# Altium PCB PCB_V1.PcbDoc (part 2 of 2)
Units mil, origin at the board's own origin, x right, y up, seen from the top; angles counter-clockwise.
Board outline 3937.01 x 3937.01 mil, 2 copper layers (Top Layer, Bottom Layer); 119 components, 91 nets, 341 pads, 89 vias.
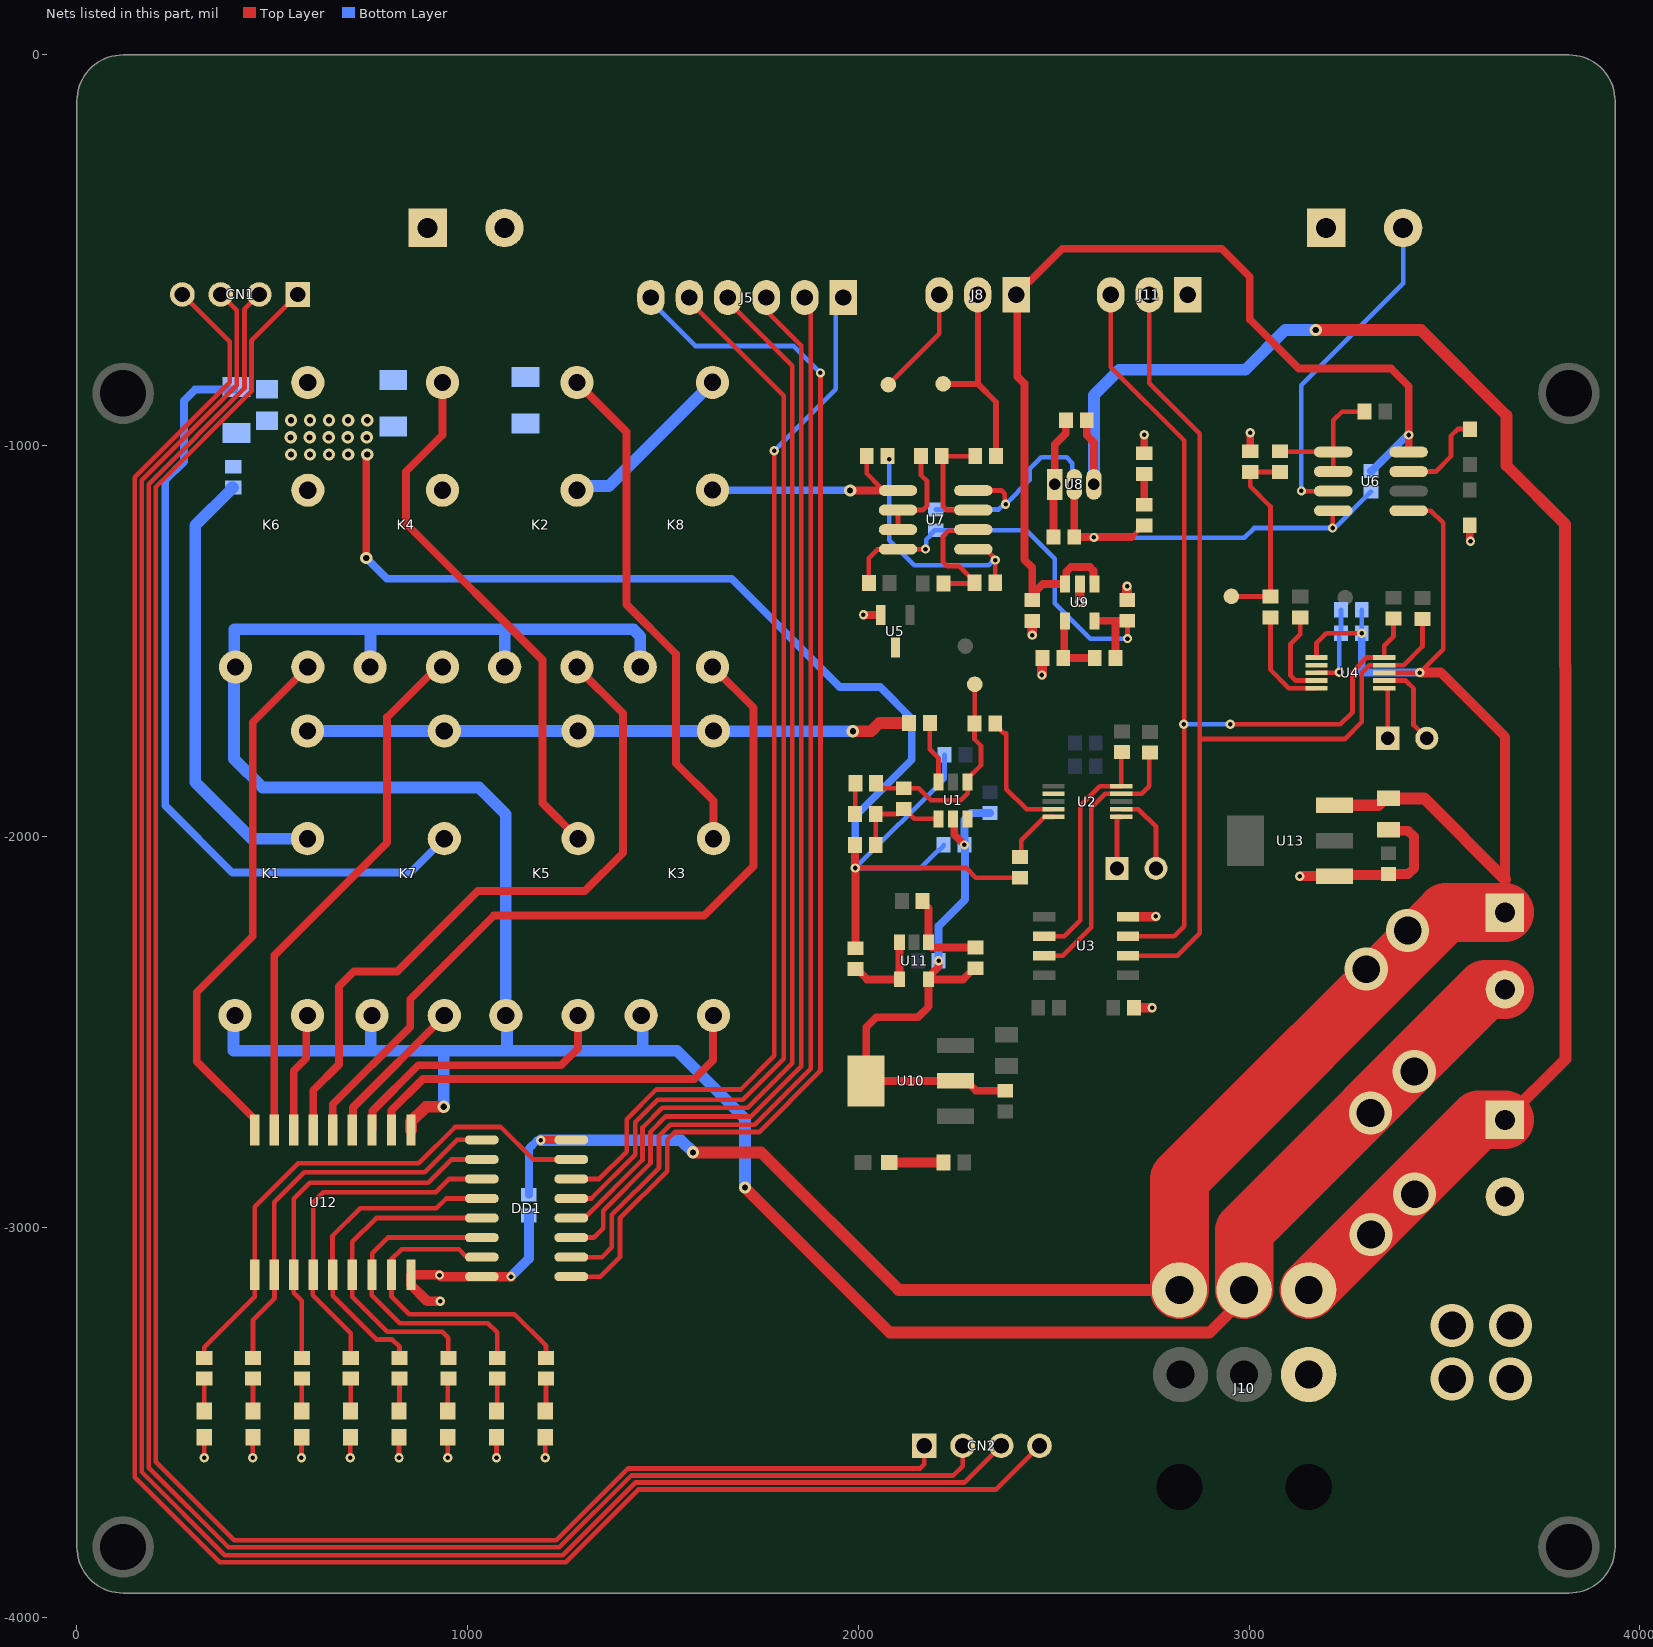
[diagram p2: the nets of this part, all layers, seen from the top]

## Via types
v1: diameter 23.62, hole 11.81, Top Layer to Bottom Layer, 53 vias
v2: diameter 31.5, hole 15.75, Top Layer to Bottom Layer, 26 vias
v3: diameter 110.24, hole 70.87, Top Layer to Bottom Layer, 10 vias

## Nets (pads, with @x,y where several pads share a name; then routed paths per layer and width w, separated by ;. In a path a pad name is that pad's centre, name@x,y a point inside that pad or via, vN(x,y) a via of type N, cw(c..) or ccw(c..) an arc to the next point about the centre after c; other vN are vias at no path point) (continued)
+5V: C9.1 C10.1 C19.2 C22.2 DD1.16 J7.2 J10.6 U4.1 U4.8 U6.5 U13.3 | length 5777.9
  Top Layer w12: U4.1@3183,-1542.15 3182.91,-1542.25 U4.1@3172.95,-1542.25 3172.95,-1505.05 3198,-1480 v1(3288.57,-1480) ; U4.8@3346.18,-1581.62 3346.27,-1581.52 3436.48,-1581.52 v1(3437,-1581) 3497,-1521 3497,-1198 3465.47,-1166.47 U6.5@3408.57,-1166.47 U6.5@3409,-1166.89
  Top Layer w20: v1(1187,-2778) 1187.5,-2777.5 1264.99,-2777.5 DD1.16@1265.49,-2777
  Top Layer w25: v1(3437,-1581) 3491,-1581 3655,-1745 3655,-2110 J7.2@3655,-2195.15
  Top Layer w30: v2(1577,-2809) 1751,-2809 2103.06,-3161.06 J10.6@2822,-3161.06 ; U13.3@3219.17,-1920.76 3330.24,-1920.76 3348,-1903 C22.2@3357,-1903 3448,-1903 3655,-2110
  Top Layer w150: J10.6@2822,-3161.06 2822,-2877 3503.85,-2195.15 J7.2@3655,-2195.15
  Bottom Layer w12: v1(3288.57,-1480) C9.1@3288.57,-1420
  Bottom Layer w20: C19.2@1157,-2917.43 1157,-2799 1178,-2778 v1(1187,-2778) ; v1(3288.57,-1480) 3288.57,-1581 v1(3437,-1581)
  Bottom Layer w30: v1(1187,-2778) 1546,-2778 v2(1577,-2809)
  other v3: 3300,-2340 3406,-2241
+6.5V: C11.2 C15.2 R18.2 R30.2 U7.8 U9.5 | length 1175.7
  Top Layer w12: R18.2@2027,-1352 2027,-1288 2049,-1266 2100.54,-1266 U7.8@2101.54,-1265 v1(2172,-1265) ; C15.2@2688,-1448.42 2689,-1449.42 v1(2689,-1494)
  Top Layer w20: U9.5@2604.4,-1448.4 2658.47,-1448.41 ; R30.2@2658.15,-1543.37 2658.15,-1448.73 2658.47,-1448.41 ; C15.2@2688,-1448.42 2658.47,-1448.41
  Bottom Layer w12: v1(2172,-1265) 2174.22,-1262.78 2174.22,-1240.35 2184.31,-1230.26 2184.31,-1228.29 2196.03,-1216.57 C11.2@2198,-1216.57 2429.57,-1216.57 2503,-1290 2503,-1403 2594,-1494 v1(2689,-1494)
+12: J7.1 J10.5 K1.4 K2.4 K3.4 K4.4 K5.4 K6.4 K7.4 K8.4 U12.10 | length 7674.9
  Top Layer w30: U12.10@855,-2751.96 855,-2730.78 893.78,-2692 v2(939,-2692) ; v2(1710,-2899) 2081,-3270 2899,-3270 2987.35,-3181.65 J10.5@2987.35,-3161.06
  Top Layer w150: J10.5@2987.35,-3161.06 2987.35,-3009.65 3605,-2392 J7.1@3655,-2392
  Bottom Layer w30: K1.4@404.93,-2458.81 401,-2462.74 401,-2549 752,-2549 ; K4.4@750.46,-1566.97 751.62,-1565.81 751.62,-1470.14 ; K7.4@755.32,-2458.81 752,-2462.13 752,-2549 ; v2(939,-2692) 939,-2549 ; K2.4@1094.95,-1566.97 1094.95,-1470.14 ; K8.4@1441.96,-1566.35 1441.96,-1487.72 1424.39,-1470.14 1094.95,-1470.14 ; K3.4@1444.3,-2458.81 1448,-2462.51 1448,-2549 ; v2(1710,-2899) 1710,-2723 1536,-2549 1448,-2549 ; 751.62,-1470.14 1094.95,-1470.14 ; 751.62,-1470.14 402.62,-1470.14 402.62,-1563.61 K6.4@405.97,-1566.97 402,-1570.94 402,-1802 475,-1875 1029,-1875 1097.84,-1943.84 K5.4@1097.84,-2458.81 1101,-2461.97 1101,-2549 ; 752,-2549 939,-2549 ; 939,-2549 1101,-2549 ; 1101,-2549 1448,-2549
  other v3: 3311,-2708 3423,-2602
+24V: C12.2 C17.2 J8.1 U6.8 U9.1 U9.3 | length 2600.5
  Top Layer w12: U9.1@2604.4,-1353.91 U9.1@2605,-1354.51
  Top Layer w20: J8.1@2403.85,-614 2403.85,-604 2428.85,-579 2438.85,-579 2521.85,-496 2930,-496 3002,-568 3002,-677 3128,-803 3364,-803 3409,-848 v1(3409,-973) 3409,-1016.04 U6.8@3408.57,-1016.47 ; J8.1@2404.43,-627 2407,-629.57 2407,-823 2425,-841 2425,-1292 2445,-1312 C17.2@2445,-1381.57 ; C17.2@2445,-1395.43 C17.2@2445,-1381.57 ; U9.1@2604.4,-1353.91 2601.61,-1351.12 2601.61,-1319.92 2592.69,-1311 2544.11,-1311 2532.39,-1322.72 2532.39,-1351.12 U9.3@2529.6,-1353.91 2472.66,-1353.91 C17.2@2445,-1381.57
  Bottom Layer w20: C12.2@3312.12,-1064.89 3314.08,-1064.89 3405.28,-973.69 3408.31,-973.69 v1(3409,-973)
-1.2V: C11.1 C12.1 C14.2 R27.1 U6.4 U7.4 U8.2 | length 1727.3
  Top Layer w12: U7.4@2294.46,-1115 2367.16,-1115 2375.19,-1123.03 2375.19,-1148.19 v1(2377,-1150) ; C14.2@2552.57,-1234 C14.2@2552.79,-1233.79 ; U8.2@2552.79,-1099.53 U8.2@2553,-1099.31 ; 2699.62,-1234 2729.05,-1204.57 R27.1@2732,-1204.57 ; v1(3214,-1211) 3214,-1168.12 U6.4@3215.66,-1166.47
  Top Layer w20: C14.2@2552.57,-1234 2699.62,-1234 ; C14.2@2552.79,-1233.79 U8.2@2552.79,-1099.53
  Bottom Layer w12: C11.1@2198,-1163.43 2359.57,-1163.43 2373,-1150 v1(2377,-1150) 2439,-1088 2439,-1059 2468,-1030 2532.97,-1030 2547.76,-1044.79 2547.76,-1094.08 U8.2@2553,-1099.31 ; v1(2603,-1235) 2603,-1236 2988,-1236 3013,-1211 v1(3214,-1211) 3219.16,-1211 C12.1@3312.12,-1118.04
-5V: C13.2 J4.2 J10.4 U8.3 | length 4228.1
  Top Layer w20: C13.2@2584.57,-935 2584.57,-973.57 2603,-992 U8.3@2603,-1099.31
  Top Layer w30: v2(3171,-704) 3440,-704 3659,-923 3659,-1051 3809,-1201 3809,-1564 3810,-1565 3810,-2570.57 J4.2@3655,-2725.57
  Top Layer w150: J10.4@3152.71,-3161.06 3588.2,-2725.57 J4.2@3655,-2725.57
  Bottom Layer w30: U8.3@2603,-1099.31 2603,-871 2668,-806 2991,-806 3093,-704 v2(3171,-704)
  other v3: 3312,-3019 3424,-2916
A: K2.3 K3.2 R13.2 | length 1312.1
  Top Layer w20: K2.3@1279.99,-838.62 1406.5,-965.14 1406.5,-1406.5 1533,-1533 1533,-1813 1629.34,-1909.34 K3.2@1629.34,-2006.06
A_Select: K2.1 U12.15 | length 1787.9
  Top Layer w20: U12.15@605,-2751.96 605,-2650 671,-2584 671,-2384 709,-2346 820,-2346 1026,-2140 1300,-2140 1398,-2042 1398,-1685.82 1279.99,-1567.8 K2.1@1279.99,-1566.97
A_Sense: K3.1 U12.11 | length 1046.6
  Top Layer w20: U12.11@805,-2751.96 805,-2702 886,-2621 1580,-2621 1628,-2573 1628,-2460.15 K3.1@1629.34,-2458.81
  Bottom Layer w20: K3.1@1629.34,-2458.81 K3.1@1629.34,-2453.34
Current_IN: J9.1 K1.2 K2.2 K4.2 K6.2 K8.3 R9.2 | length 1604.7
  Bottom Layer w30: R9.2@400.06,-1107.32 397.11,-1107.32 394.39,-1110.04 394.39,-1112.99 303,-1204.39 303,-1862 447.06,-2006.06 K1.2@589.97,-2006.06 ; K2.2@1279.99,-1114.21 1290.51,-1103.69 1361.31,-1103.69 K8.3@1627,-838
Current_OUT: C1.2 C5.2 J9.2 R3.2 R6.1 R9.1 R10.1 R12.1 R13.1 R31.1 R43.1 | length 3609.1
  Top Layer w12: v1(1992,-2081) 2276,-2081 2301,-2106 R3.2@2414,-2106
  Top Layer w20: v2(740.5,-1287.5) 740.5,-1025.5 v2(743,-1023) ; v1@1991.31,-2080.31 v1@1991.43,-2080.43 ; R6.1@1991.43,-2022.25 v1@1991.43,-2080.43 ; R31.1@1993,-2286.43 1992.5,-2285.93 1992.5,-2081.5 v1(1992,-2081) v1@1991.43,-2080.43
  Bottom Layer w12: C1.2@2218.43,-2022 2218.43,-2023.97 2206.71,-2035.69 2204.74,-2035.69 2159.43,-2081 v1(1992,-2081) 2220.85,-1852.15 C5.2@2220.85,-1791
  Bottom Layer w20: v2(740.5,-1287.5) 793,-1340 793,-1341 1675.72,-1341 1952.72,-1618 2056,-1618 2136.72,-1698.72 2136.72,-1804.28 1992,-1949 v1(1992,-2081)
  other v2: 548,-1023 596.75,-1023 645.5,-1023 694.25,-1023 547,-979 595.75,-979 644.5,-979 693.25,-979 742,-979 548,-935 596.75,-935 645.5,-935 694.25,-935 743,-935
DAC_AUX: J8.3 TP3.1 | length 283.8
  Top Layer w12: TP3.1@2077,-844 2207,-714 J8.3@2207,-614
DAC_ISET: J8.2 R25.1 TP4.1 | length 508.3
  Top Layer w15: TP4.1@2217,-842 2306,-842 ; J8.2@2306,-627 2306,-842 ; R25.1@2352.57,-1027 2352.57,-888.57 2306,-842
DIN: DD1.14 J5.1 | length 2712.6
  Top Layer w12: DD1.14@1265.49,-2877 1337,-2877 1407,-2807 1407,-2724 1483,-2648 1699,-2648 1785,-2562 v1(1785,-1013)
  Bottom Layer w12: v1(1785,-1013) 1942,-856 1942,-640.28 J5.1@1961.28,-621
DOUT: DD1.9 J5.6 | length 3266.9
  Top Layer w12: DD1.9@1265.49,-3127 1340,-3127 1390,-3077 1390,-2978 1511,-2857 1511,-2776 1530,-2757 1746,-2757 1903,-2600 v1(1903,-814)
  Bottom Layer w12: J5.6@1469.15,-621 1469.15,-631 1583.15,-745 1834,-745 v1(1903,-814)
FULL_RANGE: R14.2 R23.1 R24.2 TP1.1 | length 516.6
  Top Layer w12: TP1.1@2955,-1386 2955.21,-1386.21 3054.79,-1386.21 R14.2@3055,-1386.43 3055,-1156 3003,-1104 R24.2@3003,-1067.57 R23.1@3079,-1067.57
GND: C7.1 C9.2 C10.2 C13.1 C14.1 C15.1 C17.1 C19.1 C21.1 C22.1 D1.2 D3.2 D5.2 D6.2 D7.2 D8.2 D9.2 D10.2 D11.2 DD1.8 J4.1 J10.3 R24.1 R28.2 R32.2 U3.4 U4.3 U5.2 U8.1 U9.2 U12.9 U13.1 | length 2421.1
  Top Layer w12: D5.2@325.9,-3538 326.05,-3538.15 v1(326.05,-3590.5) ; v1(449.87,-3590.5) 449.87,-3538.73 D6.2@450.6,-3538 ; v1(574.69,-3590.5) 574.69,-3538.61 D1.2@575.3,-3538 ; v1(699.51,-3590.5) 699.51,-3538.49 D7.2@700,-3538 ; v1(824.33,-3590.5) 824.33,-3538.37 D8.2@824.7,-3538 ; v1(949.15,-3590.5) 949.15,-3538.24 D9.2@949.4,-3538 ; v1(1073.98,-3590.5) 1073.98,-3538.12 D10.2@1074.1,-3538 ; v1(1198.8,-3590.5) D11.2@1198.8,-3538 ; U8.1@2499.43,-1102.89 U8.1@2503,-1099.31 ; C13.1@2531,-935.43 C13.1@2531.43,-935 ; U4.3@3172.95,-1581.62 3229.38,-1581.62 v1(3230.67,-1580.33)
  Top Layer w20: v1(2013,-1433) 2013.33,-1433.33 2057.27,-1433.33 U5.2@2057.6,-1433.66 ; C14.1@2499.43,-1234 U8.1@2499.43,-1102.89 ; U8.1@2503,-1099.31 2503,-997 2531,-969 C13.1@2531,-935.43 ; R28.2@2732,-1019.43 v1(2732,-972) ; R24.1@3003,-1014.43 v1(3003,-967) ; D3.2@3565,-1204.28 3565,-1243 v1(3567,-1245)
  Top Layer w25: v1(930,-3190) 896.78,-3190 855,-3148.22 U12.9@855,-3122.04 927.04,-3122.04 v1(928,-3123) 932,-3127 DD1.8@1036.51,-3127 v1(1111,-3127) ; v1(2445,-1485) C17.1@2445,-1448.57 ; v1(2470,-1587) 2470,-1545.43 R32.2@2471.43,-1544 ; v1(2567,-1401.16) U9.2@2567,-1353.91 ; C15.1@2688,-1395.27 v1(2688,-1360) ; U3.4@2690.28,-2205.68 2760.32,-2205.68 v1(2761,-2205) ; C7.1@2705.57,-2439 v1(2752,-2439) ; v1(3130,-2102) 3132,-2102 3132.13,-2101.87 U13.1@3219.17,-2101.87 3221.82,-2099.22 3354.35,-2099.22 C21.1@3357,-2096.57 3407.36,-2096.57 3422,-2081.93 3422,-2000.64 3407.36,-1986 3360,-1986 C22.1@3357,-1983
  Bottom Layer w12: v1(3230.67,-1580.33) 3231.22,-1579.78 3231.22,-1484.2 C10.2@3235.43,-1480 C9.2@3235.43,-1420
  Bottom Layer w25: v1(1111,-3127) 1157,-3081 C19.1@1157,-2970.57
  other v3: 3520,-3389 3669,-3389 3520,-3252 3669,-3252
IN1: DD1.15 R34.1 U12.1 | length 1369.8
  Top Layer w12: R34.1@325.9,-3334.93 325.9,-3308.1 455,-3179 U12.1@455,-3122.04 455,-2948 566,-2837 875,-2837 968,-2744 1084.89,-2744 1167.89,-2827 DD1.15@1265.49,-2827
IN2: DD1.1 R35.1 U12.2 | length 1019
  Top Layer w12: R35.1@450.89,-3334.93 450.89,-3237.11 506,-3182 506,-3123.04 U12.2@505,-3122.04 505,-2937 582,-2860 890,-2860 973,-2777 DD1.1@1036.51,-2777
IN3: DD1.2 R36.1 U12.3 | length 938.9
  Top Layer w12: R36.1@575.87,-3334.93 575.87,-3188.87 555,-3168 U12.3@555,-3122.04 555,-2928 596,-2887 899,-2887 959,-2827 DD1.2@1036.51,-2827
IN4: DD1.3 R37.1 U12.4 | length 894.8
  Top Layer w12: R37.1@700.86,-3334.93 700.86,-3271.86 604,-3175 604,-3123.04 U12.4@605,-3122.04 605,-2937 631,-2911 919,-2911 953,-2877 DD1.3@1036.51,-2877
IN5: DD1.4 R38.1 U12.5 | length 828.8
  Top Layer w12: R38.1@825.84,-3334.93 825.84,-3306.84 807,-3288 766.98,-3288 655,-3176.02 U12.5@655,-3122.04 654,-3121.04 654,-3023 725,-2952 920,-2952 945,-2927 DD1.4@1036.51,-2927
IN6: DD1.5 R39.1 U12.6 | length 838.1
  Top Layer w12: R39.1@950.83,-3334.93 950.83,-3283.83 935,-3268 794,-3268 705,-3179 U12.6@705,-3122.04 705,-3038 766,-2977 DD1.5@1036.51,-2977
IN7: DD1.6 R41.1 U12.7 | length 830.7
  Top Layer w12: DD1.6@1036.51,-3027 796,-3027 756,-3067 756,-3121.04 U12.7@755,-3122.04 755,-3175 826,-3246 1052,-3246 1075.81,-3269.81 R41.1@1075.81,-3334.93
IN8: DD1.7 R42.1 U12.8 | length 824
  Top Layer w12: DD1.7@1036.51,-3077 998,-3077 978,-3057 831.03,-3057 805,-3083.03 U12.8@805,-3122.04 805,-3177 851,-3223 1120,-3223 1200.8,-3303.8 R42.1@1200.8,-3334.93
LOAD: K8.2 R22.1 U7.5 | length 571
  Top Layer w12: R22.1@2021.43,-1027 2021.43,-1071.43 U7.5@2057.81,-1107.81
  Top Layer w20: v2(1979,-1115) U7.5@2101.54,-1115
  Bottom Layer w20: K8.2@1627,-1113.59 1627.72,-1114.31 1978.31,-1114.31 v2(1979,-1115)
Load_select: K8.1 U12.14 | length 1990.4
  Top Layer w20: U12.14@655,-2751.96 655,-2686 853,-2488 853,-2417 1067,-2203 1605,-2203 1732,-2076 1732,-1671.35 K8.1@1627,-1566.35
mA: K4.3 K5.2 R12.2 | length 1398.8
  Top Layer w12: K5.2@1282.88,-2006.06 K5.2@1292.94,-2006.06
  Top Layer w20: K4.3@935.5,-838.62 935.5,-973.5 842,-1067 842,-1199 1191.72,-1548.72 1191.72,-1914.9 K5.2@1282.88,-2006.06
mA_Select: K4.1 U12.17 | length 1378.1
  Top Layer w20: U12.17@505,-2751.96 505,-2305 794,-2016 794,-1695 922.03,-1566.97 K4.1@935.5,-1566.97 K4.1@930.62,-1562.09
mA_Sense: K5.1 U12.12 | length 725.6
  Top Layer w20: U12.12@755,-2751.96 756.81,-2750.15 756.81,-2703.19 874,-2586 1239,-2586 1282.88,-2542.12 K5.1@1282.88,-2458.81
nA_Sense: K1.1 U12.16 | length 307.6
  Top Layer w20: U12.16@555,-2751.96 555,-2600 587,-2568 587,-2461.78 K1.1@589.97,-2458.81
NetC6_1: C6.1 R1.2 R5.1 TP0.1 U1.1 | length 561.1
  Top Layer w12: R5.1@2045.56,-1864.26 2045.56,-1865.34 2057.28,-1877.06 C6.1@2116.43,-1877.06 2155.06,-1877.06 2186.09,-1908.09 2262.25,-1908.09 2279.97,-1890.38 U1.1@2279.97,-1860.85 2279.97,-1851.99 2314,-1817.96 2314,-1768.5 2297.43,-1751.93 R1.2@2297.43,-1711 2297.71,-1710.71 2297.71,-1611.29 TP0.1@2298,-1611
NetC6_2: C6.2 R4.2 R6.2 U1.4 | length 255.6
  Top Layer w12: R6.2@2044.57,-2022.25 R4.2@2044.57,-1943 2101.66,-1943 2114.46,-1930.2 C6.2@2116.43,-1930.2 2118.39,-1930.2 2143.53,-1955.34 U1.4@2205.17,-1955.34
NetCN1_1: CN1.1 CN2.1 | length 5316.1
  Top Layer w12: CN1.1@565.27,-613.2 446.8,-731.68 446.8,-861.2 202,-1106 202,-3601 403,-3802 1227,-3802 1411,-3618 2158,-3618 2168.58,-3607.42 CN2.1@2168.58,-3560
NetCN1_2: CN1.2 CN2.2 | length 5425.6
  Top Layer w12: CN1.2@466.85,-613.2 428.8,-651.26 428.8,-853.75 184,-1098.54 184,-3616 388,-3820 1235,-3820 1419,-3636 2243,-3636 2267,-3612 CN2.2@2267,-3560
NetCN1_3: CN1.3 CN2.3 | length 5534.7
  Top Layer w12: CN1.3@368.42,-613.2 409,-653.78 409,-845.54 166,-1088.54 166,-3627 378.8,-3839.8 1243.2,-3839.8 1429,-3654 2271.43,-3654 CN2.3@2365.43,-3560
NetCN1_4: CN1.4 CN2.4 | length 5707
  Top Layer w12: CN1.4@270,-613.2 391,-734.2 391,-838.09 148,-1081.09 148,-3640 365.8,-3857.8 1251.2,-3857.8 1437,-3672 2351.85,-3672 CN2.4@2463.85,-3560
NetD1_1: D1.1 R36.2 | length 83.2
  Top Layer w12: D1.1@575.3,-3471 575.87,-3470.43 R36.2@575.87,-3388.08
NetD2_1: D2.1 R40.1 | length 139
  Top Layer w25: D2.1@2079,-2834.75 2079.13,-2834.87 2217.72,-2834.87 R40.1@2217.85,-2835
NetD4_1: D4.1 U6.7 | length 232.9
  Top Layer w12: U6.7@3408.57,-1066.47 3477.53,-1066.47 3517,-1027 3517,-975 3534.28,-957.72 D4.1@3566,-957.72
NetD5_1: D5.1 R34.2 | length 82.9
  Top Layer w12: D5.1@325.9,-3471 R34.2@325.9,-3388.08
NetD6_1: D6.1 R35.2 | length 83
  Top Layer w12: D6.1@450.6,-3471 450.89,-3470.71 R35.2@450.89,-3388.08
NetD7_1: D7.1 R37.2 | length 83.3
  Top Layer w12: D7.1@700,-3471 700.86,-3470.14 R37.2@700.86,-3388.08
NetD8_1: D8.1 R38.2 | length 83.4
  Top Layer w12: D8.1@824.7,-3471 825.84,-3469.86 R38.2@825.84,-3388.08
NetD9_1: D9.1 R39.2 | length 83.5
  Top Layer w12: D9.1@949.4,-3471 949.4,-3395.41 950.83,-3393.98 R39.2@950.83,-3388.08
NetD10_1: D10.1 R41.2 | length 83.6
  Top Layer w12: D10.1@1074.1,-3471 1075.81,-3469.29 R41.2@1075.81,-3388.08
NetD11_1: D11.1 R42.2 | length 83.7
  Top Layer w12: D11.1@1198.8,-3471 1200.8,-3469 R42.2@1200.8,-3388.08
NetJ1_1: J1.1 U2.6 | length 142.2
  Top Layer w12: J1.1@2662,-2082 2662,-1950.5 2662.09,-1950.4 U2.6@2672.61,-1950.4
NetJ1_2: J1.2 U2.7 | length 214.1
  Top Layer w12: U2.7@2672.61,-1930.72 2716.72,-1930.72 2762,-1976 J1.2@2762,-2082
NetJ2_1: J2.1 U4.6 | length 138.2
  Top Layer w12: U4.6@3346.18,-1620.99 3354.91,-1620.99 3355,-1621.08 J2.1@3355,-1749 J2.1@3356,-1748
NetJ2_2: J2.2 U4.7 | length 225.1
  Top Layer w12: U4.7@3346.18,-1601.3 3401.3,-1601.3 3421,-1621 3421,-1715 J2.2@3455,-1749
NetJ6_2: J6.2
NetJ11_1: J11.1
NetR1_1: R1.1 U2.4 | length 325.3
  Top Layer w12: R1.1@2350.57,-1711 2350.57,-1713.95 2372.62,-1736 2379,-1736 2379,-1879 2430.72,-1930.72 U2.4@2499.39,-1930.72
NetR2_1: R2.1 U1.3 | length 160
  Top Layer w12: R2.1@2183.15,-1710 2183.15,-1777.32 2205.17,-1799.34 U1.3@2205.17,-1860.85
NetR3_1: R3.1 U2.5 | length 152.7
  Top Layer w12: R3.1@2414,-2052.85 2416.95,-2052.85 2416.95,-2010.39 2476.94,-1950.4 U2.5@2499.39,-1950.4
NetR4_1: R4.1 R5.2 | length 79.1
  Top Layer w12: R4.1@1991.43,-1943 1991.92,-1942.51 1991.92,-1864.75 R5.2@1992.41,-1864.26
NetR7_2: R7.2 U2.9 U3.7 | length 714.7
  Top Layer w12: U3.7@2475.72,-2305.68 2523.32,-2305.68 2596,-2233 2596,-1927.5 2632.25,-1891.25 2672.52,-1891.25 U2.9@2672.61,-1891.35 2725.65,-1891.35 2745,-1872 2745,-1787.46 R7.2@2746.56,-1785.9
NetR8_2: R8.2 U2.10 U3.6 | length 615.8
  Top Layer w12: U3.6@2475.72,-2255.68 2527.32,-2255.68 2568,-2215 2568,-1922 2618.34,-1871.66 U2.10@2672.61,-1871.66 2672.61,-1787.26 R8.2@2675.3,-1784.57
NetR14_1: R14.1 U4.5 | length 280.3
  Top Layer w12: R14.1@3049,-1445.57 R14.1@3055,-1439.57 3055,-1574 3101.99,-1620.99 U4.5@3172.95,-1620.99
NetR17_1: R17.1 U4.4 | length 231.2
  Top Layer w12: R17.1@3131,-1439.57 3131,-1483 3106,-1508 3106,-1588 3119.3,-1601.3 U4.4@3172.95,-1601.3
NetR19_2: R19.2 R20.1 U7.2 | length 335.7
  Top Layer w12: R19.2@2218.15,-1353 2295.43,-1353 R20.1@2297.43,-1351 2297.43,-1348.05 2258.38,-1309 2227,-1309 2216.9,-1298.9 2216.9,-1231.48 2230.4,-1217.98 2291.48,-1217.98 U7.2@2294.46,-1215
NetR20_2: R20.2 R22.2 U7.1 | length 648.2
  Top Layer w12: R22.2@2074.57,-1027 2079,-1031.43 v1(2079.04,-1035.32) ; U7.1@2294.46,-1265 2326.32,-1265 2350.57,-1289.26 v1(2350.57,-1293) R20.2@2350.57,-1351
  Bottom Layer w12: v1(2079.04,-1035.32) 2078.99,-1241.99 2143,-1306 2334,-1306 2347,-1293 v1(2350.57,-1293)
NetR21_2: R21.2 R23.2 U6.1 U6.2 | length 357.6
  Top Layer w12: R23.2@3079,-1014.43 3080.02,-1015.45 3214.64,-1015.45 U6.1@3215.66,-1016.47 ; U6.2@3215.66,-1066.47 U6.1@3215.66,-1016.47 ; R21.2@3295.43,-913 3238,-913 3215.66,-935.34 U6.1@3215.66,-1016.47
NetR25_2: R25.2 R26.1 U7.3 | length 297.3
  Top Layer w12: U7.3@2294.46,-1165 2226.35,-1165 2216.9,-1155.55 2216.9,-1030.32 R26.1@2213.57,-1027 R25.2@2299.43,-1027
NetR26_2: R26.2 U7.6 U7.7 | length 262.5
  Top Layer w12: U7.7@2101.54,-1215 U7.6@2101.54,-1165 2165,-1165 2176,-1154 2176,-1091 2160.43,-1075.43 R26.2@2160.43,-1027
NetR27_2: R27.2 R28.1 | length 78.9
  Top Layer w20: R27.2@2732,-1151.43 R28.1@2732,-1072.57
NetR29_1: R29.1 R33.2 U11.1 | length 240.4
  Top Layer w20: R33.2@2164.57,-2166 2164.57,-2168.95 2180,-2184.38 U11.1@2180,-2271 2180,-2276.91 2187.52,-2284.43 R29.1@2300,-2284.43
NetR30_1: R30.1 R32.1 U9.4 | length 177.9
  Top Layer w20: R32.1@2524.57,-1544 R32.1@2524.89,-1543.68 ; U9.4@2529.6,-1448.4 2527.09,-1450.91 2527.09,-1541.49 R32.1@2524.89,-1543.68 ; R30.1@2605,-1543.37 2604.68,-1543.68 R32.1@2524.89,-1543.68
NetR31_2: R31.2 U11.3 U11.4 | length 217.7
  Top Layer w20: R31.2@1993,-2339.57 1995.95,-2339.57 2022.62,-2366.24 U11.4@2105.2,-2366.24 ; U11.4@2105.2,-2365.49 U11.3@2105.2,-2271
NetU1_6: U1.6
NetU2_2: U2.2
NetU4_2: U4.2
NetU5_3: U5.3
OE: DD1.13 J5.5 | length 2788.4
  Top Layer w12: DD1.13@1265.49,-2927 1317,-2927 1429.26,-2814.74 1429.26,-2731.74 1486.78,-2674.22 1703.78,-2674.22 1809,-2569 1809,-872.43 1567.57,-631 J5.5@1567.57,-621
RST: DD1.10 J5.2 | length 2888.5
  Top Layer w12: DD1.10@1265.49,-3077 1344,-3077 1369,-3052 1369,-2969 1490,-2848 1490,-2767 1519,-2738 1735,-2738 1878,-2595 1878,-636.15 J5.2@1862.85,-621
SCL: J11.3 R16.2 U3.3 U4.10 | length 2601.9
  Top Layer w12: J11.3@2646,-614 2646,-799 2834,-987 2834,-2230 2808.32,-2255.68 U3.3@2690.28,-2255.68 ; v1(2952,-1713) 3234,-1713 3265,-1682 3265,-1579.12 3301.87,-1542.25 U4.10@3346.18,-1542.25 3346.18,-1511.82 3370,-1488 R16.2@3370,-1442.57
  Bottom Layer w12: v1(2833,-1713) v1(2952,-1713)
SDA: J11.2 R15.2 U3.2 U4.9 | length 2709.6
  Top Layer w12: U3.2@2690.28,-2305.68 2816.32,-2305.68 2874,-2248 2874,-1755 ; J11.2@2744.43,-614 2744.43,-840.43 2874,-970 2874,-1755 ; R15.2@3444,-1443.57 3444,-1514 3396.07,-1561.93 U4.9@3346.18,-1561.93 3346.09,-1562.03 3307.55,-1562.03 3288.57,-1581 3288.57,-1707.43 3245,-1751 2878,-1751 2874,-1755
Sence_1: K1.3 K3.3 K5.3 K7.3 R2.2 | length 1551.1
  Top Layer w30: v2(1986,-1731) 2033,-1731 2054,-1710 R2.2@2130,-1710
  Bottom Layer w30: K1.3@589,-1730.46 K1.3@589.97,-1730.46 K7.3@940.36,-1730.46 K5.3@1282.88,-1730.46 K3.3@1629.34,-1730.46 1630.8,-1729 1632.8,-1731 v2(1986,-1731)
SHCP: DD1.11 J5.3 | length 2848.8
  Top Layer w12: DD1.11@1265.49,-3027 1323,-3027 1347,-3003 1347,-2958 1468.15,-2836.85 1468.15,-2755.85 1507,-2717 1726,-2717 1854,-2589 1854,-744 1764.43,-654.43 J5.3@1764.43,-621
STCP: DD1.12 J5.4 | length 2806.2
  Top Layer w12: DD1.12@1265.49,-2977 1299,-2977 1447.65,-2828.35 1447.65,-2745.35 1498,-2695 1717,-2695 1830.65,-2581.35 1830.65,-795.65 1666,-631 J5.4@1666,-621
uA: K6.3 K7.2 R10.2 R43.2 | length 2028.4
  Top Layer w12: K7.2@940.36,-2006.06 K7.2@950.94,-2006.06
  Bottom Layer w20: R43.2@402.62,-856.79 302.21,-856.79 274,-885 274,-1040.84 226,-1088.84 226,-1921 398,-2093 853.42,-2093 K7.2@940.36,-2006.06
uA_Select: K6.1 U12.18 | length 1373
  Top Layer w20: U12.18@455,-2751.96 455,-2724.4 307,-2576.4 307,-2399 450,-2256 450,-1707.98 K6.1@591.01,-1566.97 K6.1@584.62,-1560.57
uA_Sense: K7.1 U12.13 | length 390.6
  Top Layer w20: U12.13@705,-2751.96 706.81,-2750.15 706.81,-2694.19 940.36,-2460.64 K7.1@940.36,-2458.81
V+: C1.1 C2.2 C16.2 C20.1 R29.2 U1.5 U10.2 U10.4 U11.5 | length 1476.8
  Top Layer w20: U11.5@2189.4,-2366.24 2268.38,-2366.24 2297.05,-2337.57 R29.2@2300,-2337.57 ; v1(2205.59,-2318.24) 2205.59,-2333.99 2180,-2359.58 U11.5@2180,-2365.49 2180,-2436 2153,-2463 2046,-2463 2020.14,-2488.86 U10.4@2020.14,-2626 U10.2@2248.49,-2626 2276.05,-2626 2301.47,-2651.43 C16.2@2376.32,-2651.43 ; U1.5@2242.57,-1955.34 2245.36,-1958.13 2245.36,-1995.79 v1(2271.57,-2022)
  Bottom Layer w20: v1(2205.59,-2318.24) 2205.59,-2229.41 2273,-2162 2273,-2023.43 v1(2271.57,-2022) 2271.57,-1957.43 2288.43,-1940.57 C2.2@2337,-1940.57
VOLT_METER_IN: J6.1 U6.3 | length 863.2
  Top Layer w12: v1(3134,-1116) 3134.47,-1116.47 U6.3@3215.66,-1116.47
  Bottom Layer w12: v1(3134,-1116) 3134,-846 3395.03,-584.97 3395.03,-443.6 J6.1@3394.43,-443
pads on no net: J10.Hole U12.M1

## Polygon pours and split planes (outlines as drawn)
GND on Bottom Layer "GND_L02_P034" (solid, pour order 34): 2732,-3918 2728,-3914 258,-3914 258,-2739 325,-2672 2400,-2672 2648,-2424 2648,-1592 3301,-1592 3312,-1603 3312,-2096 2668,-2740 2668,-3298 2919,-3298 2919,-3917
GND on Bottom Layer "GND_L02_P026" (solid, pour order 26): 2727,-3276 3273,-3276 3583,-2966 3583,-2859 3889,-2859 3908,-2878 3908,-3580 3570,-3918 2706,-3918 2706,-3297
GND on Bottom Layer "GND_VM" (solid, pour order 24): 2902.62,-879.81 2903.62,-880.81 3781.62,-880.81 3781.62,-1631.81 3781.62,-1782.41 3755,-1825 2906.62,-1825 2906.62,-880.81
+5V on Bottom Layer "+5V_L02_P032" (solid, pour order 32): 2895,-3257 2700,-3257 2695,-3252 2695,-2779 3377.28,-2096.72 3735,-2096.72 3735,-2289 3517,-2289 2889,-2917 2889,-3251
+12 on Bottom Layer "+12_L02_P030" (solid, pour order 30): 3063,-3257 2904,-3257 2904,-2966 2903,-2959 2903,-2953 2903,-2933 3531.21,-2304.79 3737,-2304.79 3737,-2597 3548,-2597 3063,-3082
-5V on Bottom Layer "-5V_L02_P028" (solid, pour order 28): 3076,-3255 3076,-3098 3561,-2613 3815,-2613 3815,-2834.78 3815.43,-2835.22 3809.65,-2841 3565,-2841 3565,-2964 3274,-3255
GND on Bottom Layer "GND_L02_P018" (solid, pour order 18): 1944.62,-883.81 1945.62,-884.81 2823.62,-884.81 2823.62,-1635.81 2824.62,-1636.81 2821.62,-1639.81 1948.62,-1639.81 1948.62,-884.81
GND on Bottom Layer "GND_L02_P022" (solid, pour order 22): 2896,-815
GND on Bottom Layer "GND_L02_P020" (solid, pour order 20): 2908,-894
Current_IN on Bottom Layer "CURRENT_IN_L02_P008" (solid, pour order 8): 494.62,-1090.14 531.62,-1053.14 1315.61,-1053.14 1333.61,-1071.14 1333.61,-1197.14 1314.61,-1216.14 1313.61,-1215.14 360.84,-1215.14 348.49,-1202.8 348.62,-1202.67 348.62,-1090.14
Current_OUT on Bottom Layer "VGND_L02_P-001" (solid, pour order 6): 1198.61,-912.14 1214.61,-928.14 1214.61,-1030.14 1201.61,-1043.14 521.62,-1043.14 484.62,-1080.14 483.62,-1079.14 356.62,-1079.14 356.62,-912.14
A on Bottom Layer "uA" (solid, pour order 4): 1090.61,-782.8 1346.4,-782.8 1346.4,-889.29 1348.88,-891.77 1090.61,-891.77
mA on Bottom Layer "MA_L02_P002" (solid, pour order 2): 746.62,-782.8 999.95,-782.8 999.95,-889.29 1002.43,-891.77 746.62,-891.77
uA on Bottom Layer "uA" (solid, pour order 0): 371.62,-782.8 653.49,-782.8 653.49,-889.29 655.97,-891.77 371.62,-891.77
GND on Top Layer "GND_L01_P036" (solid, pour order 36): 2724,-3276 3270,-3276 3580,-2966 3580,-2859 3886,-2859 3905,-2878 3905,-3580 3567,-3918 2703,-3918 2703,-3297
Current_OUT on Top Layer "CURRENT_OUT_L01_P012" (solid, pour order 12): 515,-911 515,-1035 522,-1042 801,-1042 837,-1006 837,-815 973,-679 973,-386 943,-356 836,-356 836,-357 799,-394 799,-582 665,-716 665,-877.78 631.78,-911
Current_IN on Top Layer "CURRENT_IN_L01_P010" (solid, pour order 10): 1019,-395 1019,-1212 1018,-1213 1021.14,-1216.14 1314.61,-1216.14 1333.61,-1197.14 1333.61,-1071.14 1315.61,-1053.14 1218,-1053.14 1218,-393 1178,-353 1050.78,-353
Current_OUT on Top Layer "CURRENT_OUT_L01_P016" (solid, pour order 16): 631,-649
Current_OUT on Top Layer "CURRENT_OUT_L01_P014" (solid, pour order 14): 644,-646

## Silkscreen, mask and mechanical layers (free items; w line width, h text height)
Top Overlay:
  lines w10: 2598,-2906.5 3245,-2906.5 ; 2832,-3022 2832,-2789 ; 3034,-3023 3034,-2791 ; 2832,-2789 2831,-2789 2832,-2789 ; 2598,-3025 2598,-2788 3245,-2788 3245,-3025 2598,-3025
  text "CANL" at 390,-223 h45 r90
  text "SCL1" at 490,-223 h45 r90
  text "SDA1" at 585,-223 h45 r90
  text "DOUT" at 1473,-223 h45 r90
  text "OE" at 1574.2,-223 h45 r90
  text "STCP" at 1675.4,-223 h45 r90
  text "SHCP" at 1776.6,-223 h45 r90
  text "RST" at 1877.8,-223 h45 r90
  text "DIN" at 1979,-223 h45 r90
  text "DAC2" at 2222,-223 h45 r90
  text "ISET" at 2324,-223 h45 r90
  text "SCL" at 2666,-223 h45 r90
  text "SDA" at 2756,-223 h45 r90
  text "NC" at 2854,-223 h45 r90
  text "CANH" at 287,-226 h45 r90
  text "+24V" at 2427,-226 h45 r90
  text "IIN" at 1129,-721 h45 r90
  text "NC" at 3239,-732 h45 r90
  text "VM" at 3407,-732 h45 r90
  text "IOUT" at 929,-765 h45 r90
  text "+5V" at 3885,-2270 h45 r90
  text "+12V" at 3890,-2484 h45 r90
  text "-5V" at 3892,-2791 h45 r90
  text "+5V" at 2614,-2869 h45
  text "+12V" at 2855.5,-2869 h45
  text "-5V" at 3089,-2869 h45
  text "GND" at 3893,-2989 h45 r90
  text "0ISO" at 2855.5,-2995 h45
  text "+5ISO" at 2614,-2996 h45
  text "GND" at 3089,-2996 h45
  text "CANL" at 2302,-3506 h45 r90
  text "SCL1" at 2402,-3506 h45 r90
  text "SDA1" at 2497,-3508 h45 r90
  text "CANH" at 2199,-3511 h45 r90
  text "A_SEL" at 723,-3794.04 h40 r90
  text "uA_SEL" at 340,-3834.03 h40 r90
  text "mA_SEL" at 467,-3834.03 h40 r90
  text "nA_SEL" at 599,-3834.03 h40 r90
  text "A_Sense" at 1214,-3874.01 h40 r90
  text "LOAD_SEL" at 850,-3914 h40 r90
  text "uA_Sense" at 967,-3914 h40 r90
  text "mA_Sense" at 1090,-3914 h40 r90
Bottom Overlay:
  text "VM" at 3419,-292 h45 r90
  text "NC" at 3226,-294 h45 r90
  text "DAC2" at 2236,-344 h45 r90
  text "+24V" at 2441,-344 h45 r90
  text "DOUT" at 1492,-351 h45 r90
  text "STCP" at 1694.4,-351 h45 r90
  text "SHCP" at 1795.6,-351 h45 r90
  text "ISET" at 2338,-351.5 h45 r90
  text "SCL" at 2680,-388.99 h45 r90
  text "SDA" at 2770,-388.99 h45 r90
  text "RST" at 1896.8,-395.99 h45 r90
  text "DIN" at 1998,-403.48 h45 r90
  text "NC" at 2868,-433.97 h45 r90
  text "OE" at 1593.2,-440.97 h45 r90
  text "IOUT" at 930,-528 h45 r90
  text "IIN" at 1130,-528 h45 r90
  text "CANH" at 244,-562 h45 r270
  text "SDA1" at 542,-565 h45 r270
  text "CANL" at 347,-567 h45 r270
  text "SCL1" at 447,-567 h45 r270
  text "+5V" at 3817,-2126 h45 r90
  text "+12V" at 3815.43,-2304.79 h45 r90
  text "-5V" at 3818,-2664 h45 r90
  text "GND" at 3816,-2873 h45 r90
  text "+5V" at 2847,-3072 h45
  text "+12V" at 3078,-3074 h45
  text "-5V" at 3256,-3076 h45
  text "+5ISO" at 2871,-3524 h45
  text "0ISO" at 3070.5,-3524 h45
  text "GND" at 3241,-3524 h45
  text "CANH" at 2192,-3621 h45 r90
  text "SDA1" at 2490,-3624 h45 r90
  text "CANL" at 2295,-3626 h45 r90
  text "SCL1" at 2395,-3626 h45 r90
Mechanical 1:
  the board outline again, w10
Outline:
  lines w10: 3818.9,0 cw(c3818.9,-118.11) 3937.01,-118.11 3937.01,-3818.9 cw(c3818.9,-3818.9) 3818.9,-3937.01 118.11,-3937.01 cw(c118.11,-3818.9) 0,-3818.9 0,-118.11 cw(c118.11,-118.11) 118.11,0 754,0 753.94,-0.06 753.94,-48.23 753.94,-268.94 754.68,-269.68 887.8,-269.68 1240.16,-269.68 1240,-269.53 1240,0 ; 3826.77,0 3551,0 ; 1240,0 1379.92,0 3065,0 ; 1240,0 1240,0 ; 3065,-269 3551,-269 ; 3065,-269 3065,-269 ; 3065,-269 3065,0 ; 3065,0 3065,0 ; 3551,-269 3551,0 ; 3551,-269 3551,-269 ; 3551,0 3551,0

## Text inside footprints (layer, text, board x,y; h text height)
DD1: Mechanical 6 "74HC595" at 1176,-3097 h32 r90; Mechanical 11 "1.45" at 1176,-3017 h32 r90